# Altium PCB SmartPower.PcbDoc (part 1 of 2) (continued)
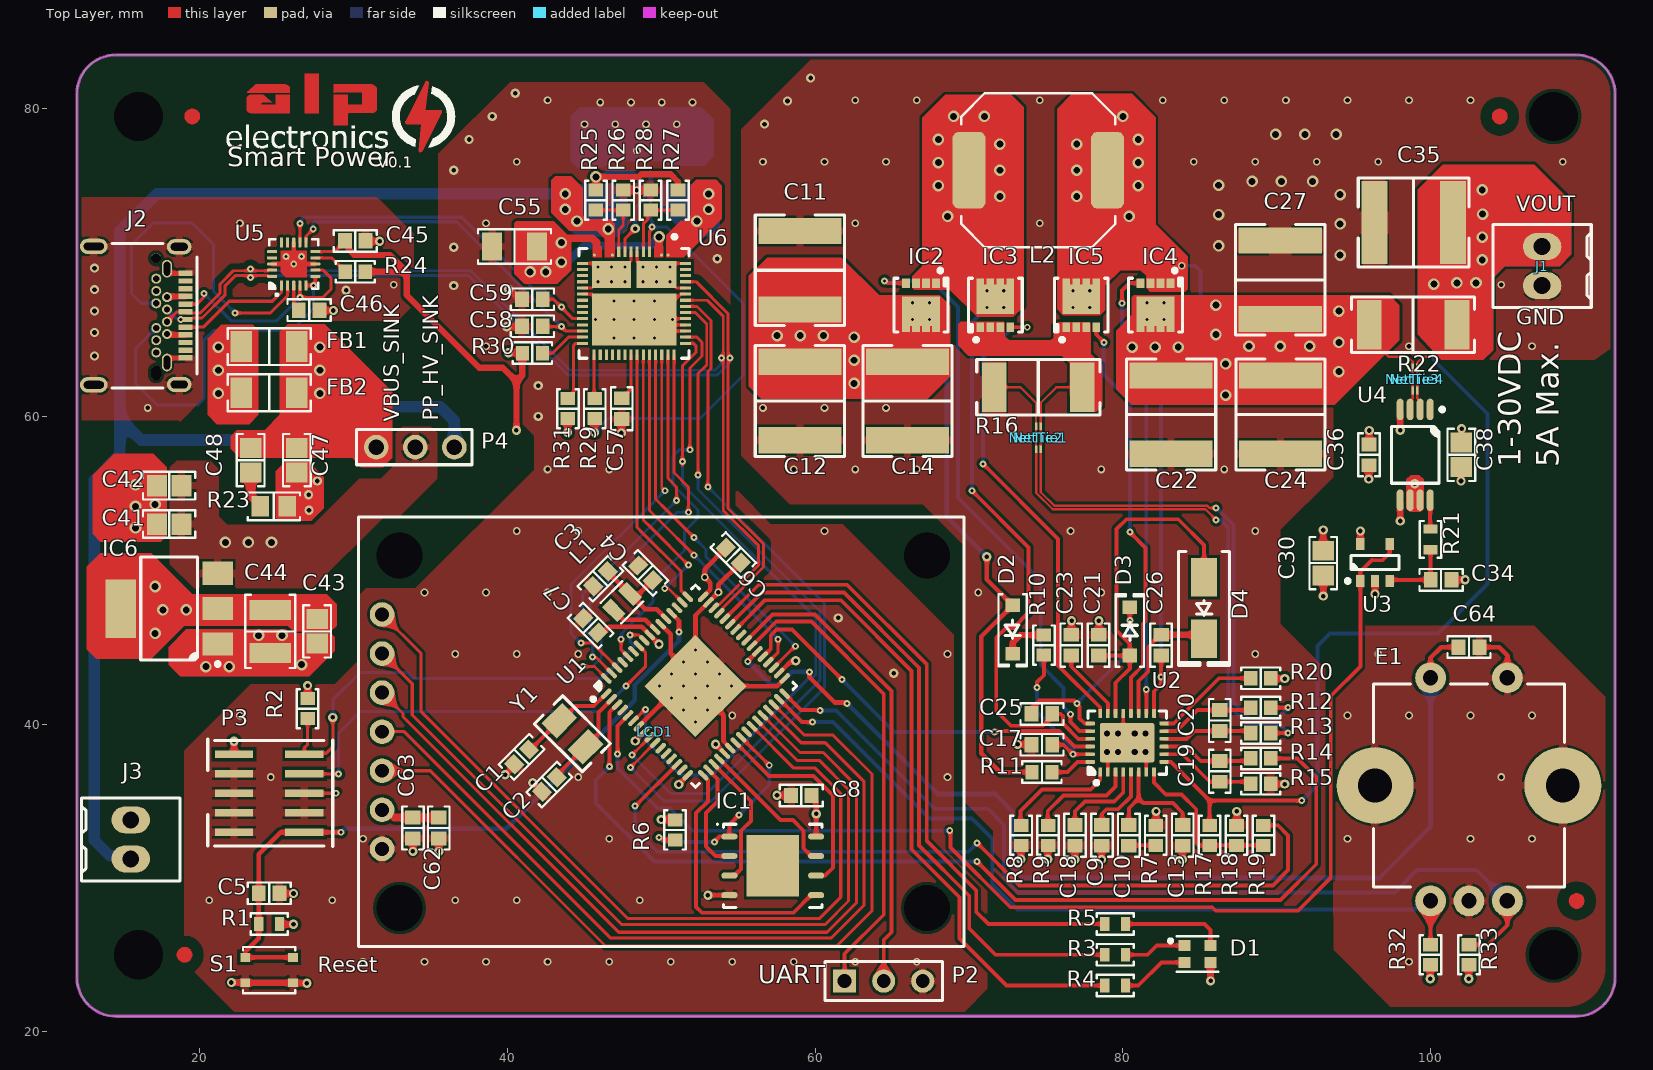
[diagram p0: Top Layer view]
## Footprints (in the part's own frame and the unit in brackets; to place one, negate y for a bottom-side part, rotate by r counter-clockwise, add the part's x,y. Pads: shape width x height; smd on the part's side, far side on the other; paste and mask are expansions set on the pad) (continued)
  rect 0.7x0.2 smd paste+0 mask+0: 5(-3.35,1) 6(-3.35,0.6) 7(-3.35,0.2) 8(-3.35,-0.2) 9(-3.35,-0.6) 10(-3.35,-1) 29(3.35,-2.6) 30(3.35,-2.2) 31(3.35,-1.8) 32(3.35,-1.4) 33(3.35,-1) 34(3.35,-0.6) 35(3.35,-0.2) 36(3.35,0.2) 37(3.35,0.6) 38(3.35,1) 39(3.35,1.4) 40(3.35,1.8) 41(3.35,2.2) 42(3.35,2.6)
  rect 0.2x0.7 smd paste+0 mask+0: 15(-2.6,-3.35) 16(-2.2,-3.35) 17(-1.8,-3.35) 18(-1.4,-3.35) 19(-1,-3.35) 20(-0.6,-3.35) 21(-0.2,-3.35) 22(0.2,-3.35) 23(0.6,-3.35) 24(1,-3.35) 25(1.4,-3.35) 26(1.8,-3.35) 27(2.2,-3.35) 28(2.6,-3.35) 43(2.6,3.35) 44(2.2,3.35) 45(1.8,3.35) 46(1.4,3.35) 47(1,3.35) 48(0.6,3.35) 49(0.2,3.35) 50(-0.2,3.35) 51(-0.6,3.35) 52(-1,3.35) 53(-1.4,3.35) 54(-1.8,3.35) 55(-2.2,3.35) 56(-2.6,3.35)
  rect 1.75x2.6 smd paste-1000 mask+0: 57(-1.875,1.45)
  rect 1.75x2.55 smd paste-1000 mask+0: 58(-1.875,-1.475)
  rect 3.4x5.5 smd paste-1000 mask+0: 59(1.05,0)
  Top Layer region: -3.35,-2.1 -3.7,-2.1 -3.7,-2.3 -3.2,-2.3 -3.2,-2.5 -3.7,-2.5 -3.7,-2.7 -3,-2.7 -3,-2.1
  Top Layer region: -3.35,-1.3 -3.7,-1.3 -3.7,-1.5 -3.2,-1.5 -3.2,-1.7 -3.7,-1.7 -3.7,-1.9 -3,-1.9 -3,-1.3
  Top Layer region: -3.35,1.9 -3.7,1.9 -3.7,1.7 -3.2,1.7 -3.2,1.5 -3.7,1.5 -3.7,1.3 -3,1.3 -3,1.9
  Top Layer region: -3.35,2.7 -3.7,2.7 -3.7,2.5 -3.2,2.5 -3.2,2.3 -3.7,2.3 -3.7,2.1 -3,2.1 -3,2.7
  silkscreen extent -4.45,-3.57 3.57,3.57, body extent -3.8,-3.8 3.8,3.8, height 0.25
FTSH-105-01-F-DV-K-TR [mm] ".050\" X .050 TERMINAL STRIP"
  rect 0.5x2.5 smd: 1(-2.54,-2.286) 2(-2.54,2.286) 3(-1.27,-2.286) 4(-1.27,2.286) 5(0,-2.286) 6(0,2.286) 7(1.27,-2.286) 8(1.27,2.286) 9(2.54,-2.286) 10(2.54,2.286)
  silkscreen extent -3.43,-3.56 3.43,3.56, body extent -3.17,-2.92 3.18,2.92, height 6.11
HDR1X3 [mm] "Connector; Header; 3 Position"
  rect 1.5x1.5 hole 0.9: 1(0,0)
  round 1.5 hole 0.9: 2(2.54,0) 3(5.08,0)
  silkscreen extent -1.27,-1.27 6.35,1.27
"HEADER 2.54MM - duplicate1" [mm] "3 PADS"
  round 1.6 hole 1: 1(0,0) 2(2.54,0) 3(5.08,0)
  silkscreen extent -1.14,-1.14 6.35,1.14, body extent -1.14,-1.23 6.48,1.27, height 8.2
IND_Würth_74404020100 [mm] "WE-LQS-2010"
  rect 0.8x1.4 smd: 1(-0.75,0) 2(0.75,0)
  silkscreen extent -1,-0.95 1,0.95, body extent -1,-0.8 1,0.82, height 0.98
"MURATA 1274AS" [mm] "10.3x10.3mm"
  rrect40% 2.15x5 smd: 1(-4.5,0) 2(4.5,0)
  silkscreen extent -5,-5 5,5, body extent -5,-5 5,5, height 5
NET_TIE_2X0.156MM [mm]
  rect 0.5x0.156 smd paste+0 mask+0.102: 1(0,0) 2(1.5,0)
  Top Layer lines w0.15: 1.5,0 0,0
"ON SEMI SOT-223 ST(318H)" [mm] "SOT223, 4-Leads, Body 6.50x7.00mm (avg), Pitch 2.30mm, IPC Medium Density"
  rect 2x1.5 smd: 1(-3.15,2.3) 2(-3.15,0) 3(-3.15,-2.3)
  rect 2x3.8 smd: 4(3.15,0)
  silkscreen extent -3.27,-3.35 1.85,3.72, body extent -3.52,-3.25 3.5,3.25, height 1.8
"RES 0603/1608" [mm] "Chip Resistor, 2-Leads, Body 1.60x0.80mm, IPC Medium Density"
  rect 0.6x0.9 smd: 1(-0.675,0) 2(0.675,0)
  silkscreen extent -1.2,-0.7 1.2,0.7, body extent -0.8,-0.4 0.8,0.4, height 0.45
"RES 0603_1608" [mm] "Chip Resistor, 2-Leads, Body 1.60x0.80mm, IPC Medium Density"
  rect 0.85x0.95 smd: 1(-0.65,0) 2(0.65,0)
  silkscreen extent -1.27,-0.7 1.27,0.7, body extent -0.8,-0.4 0.8,0.4, height 0.45
"RES 0805_2012" [mm] "Chip Resistor, 2-Leads, Body 2.00x1.25mm, IPC Medium Density"
  rect 1.15x1.35 smd: 1(-0.875,0) 2(0.875,0)
  silkscreen extent -1.7,-0.9 1.7,0.9, body extent -0.95,-0.62 1.05,0.63, height 0.6
"SI LABS QFN-64_S" [mm] "QFN, 64-Leads, Body 9.00x9.00mm, Pitch 0.50mm, Thermal Pad 4.70x4.70mm, IPC Medium Density"
  oval 0.85x0.3 smd: 1(-4.45,3.75) 2(-4.45,3.25) 3(-4.45,2.75) 4(-4.45,2.25) 5(-4.45,1.75) 6(-4.45,1.25) 7(-4.45,0.75) 8(-4.45,0.25) 9(-4.45,-0.25) 10(-4.45,-0.75) 11(-4.45,-1.25) 12(-4.45,-1.75) 13(-4.45,-2.25) 14(-4.45,-2.75) 15(-4.45,-3.25) 16(-4.45,-3.75) 33(4.45,-3.75) 34(4.45,-3.25) 35(4.45,-2.75) 36(4.45,-2.25) 37(4.45,-1.75) 38(4.45,-1.25) 39(4.45,-0.75) 40(4.45,-0.25) 41(4.45,0.25) 42(4.45,0.75) 43(4.45,1.25) 44(4.45,1.75) 45(4.45,2.25) 46(4.45,2.75) 47(4.45,3.25) 48(4.45,3.75)
  oval 0.3x0.85 smd: 17(-3.75,-4.45) 18(-3.25,-4.45) 19(-2.75,-4.45) 20(-2.25,-4.45) 21(-1.75,-4.45) 22(-1.25,-4.45) 23(-0.75,-4.45) 24(-0.25,-4.45) 25(0.25,-4.45) 26(0.75,-4.45) 27(1.25,-4.45) 28(1.75,-4.45) 29(2.25,-4.45) 30(2.75,-4.45) 31(3.25,-4.45) 32(3.75,-4.45) 49(3.75,4.45) 50(3.25,4.45) 51(2.75,4.45) 52(2.25,4.45) 53(1.75,4.45) 54(1.25,4.45) 55(0.75,4.45) 56(0.25,4.45) 57(-0.25,4.45) 58(-0.75,4.45) 59(-1.25,4.45) 60(-1.75,4.45) 61(-2.25,4.45) 62(-2.75,4.45) 63(-3.25,4.45) 64(-3.75,4.45)
  rect 4.7x4.7 smd: 65(0,0)
  silkscreen extent -5.42,-4.65 4.65,4.65, body extent -4.5,-4.5 4.5,4.5, height 0.9
SKSGACE010 [mm]
  rect 0.625x0.575 smd: 1(-1.55,0.825) 2(1.55,0.825) 3(-1.55,-0.825) 4(1.55,-0.825)
  silkscreen extent -1.7,-1.5 1.7,1.5, body extent -1.75,-1.39 1.75,1.39, height 1.35
SOD-123 [mm] "SOD, 2-Leads, Body 1.55x3.70mm, IPC Medium Density"
  rect 0.9x0.95 smd: 1(-1.575,0) 2(1.575,0)
  silkscreen extent -2.3,-0.92 2.41,0.92, body extent -1.86,-0.78 1.86,0.77, height 1.35
"SPANSION WSON-8 6x5MM" [mm] "SON, 8-Leads, Body 5.00x6.00mm, Pitch 1.27mm, Thermal Pad 4.00x3.40mm, IPC Medium Density"
  oval 1.05x0.4 smd: 1(-2.82,1.905) 2(-2.82,0.635) 3(-2.82,-0.635) 4(-2.82,-1.905) 5(2.82,-1.905) 6(2.82,-0.635) 7(2.82,0.635) 8(2.82,1.905)
  rect 3.4x4 smd paste-1.7 mask+0: 9(0,0)
  silkscreen extent -3.65,-2.7 3.2,2.75, body extent -3.05,-2.55 3.05,2.55, height 0.8
"STACKPOLE CSR2512" [mm] "Chip Resistor, 2-Leads, Body 6.40x3.20mm, IPC Medium Density"
  rect 1.6x3.2 smd: 1(-2.85,0) 2(2.85,0)
  silkscreen extent -4,-1.8 4,1.8, body extent -3.27,-1.6 3.28,1.6, height 0.5
"TE 282834-2" [mm]
  oval 1.75x2.5 hole 1.1: 1(-1.27,0) 2(1.27,0)
  silkscreen extent -2.7,-3.2 2.7,3.2, body extent -2.77,-3.25 2.77,3.25, height 10
"TI SON-8 Q3"#1 [mm] "SON, 8-Leads, Body 3.30x3.30mm, Pitch 0.65mm, Thermal Pad 1.90x2.45mm, IPC Medium Density"
  rect 0.63x0.5 smd: 1(-1.435,0.975) 2(-1.435,0.325) 3(-1.435,-0.325) 4(-1.435,-0.975) 5(1.435,-0.975) 6(1.435,-0.325) 7(1.435,0.325) 8(1.435,0.975)
  rect 1.9x2.45 smd: 8(0.39,0)
  silkscreen extent -2.37,-1.75 1.75,1.75, body extent -1.71,-1.7 1.71,1.7, height 1.1
"TI SON-8 Q3"#2 [mm] "SON, 8-Leads, Body 3.30x3.30mm, Pitch 0.65mm, Thermal Pad 1.90x2.45mm, IPC Medium Density"
  rect 0.63x0.5 smd paste-3: 1(-1.435,0.975) 2(-1.435,0.325) 3(-1.435,-0.325) 4(-1.435,-0.975) 5(1.435,-0.975) 6(1.435,-0.325) 7(1.435,0.325) 8(1.435,0.975)
  rect 1.9x2.45 smd paste-3: 8(0.39,0)
  silkscreen extent -2.37,-1.75 1.75,1.75, body extent -1.71,-1.7 1.71,1.7, height 1.1
"TI VQFN-28 RHF" [mm]
  rrect40% 0.6x0.24 smd: 1(-1.9,1.75) 2(-1.9,1.25) 3(-1.9,0.75) 4(-1.9,0.25) 5(-1.9,-0.25) 6(-1.9,-0.75) 7(-1.9,-1.25) 8(-1.9,-1.75) 15(1.9,-1.75) 16(1.9,-1.25) 17(1.9,-0.75) 18(1.9,-0.25) 19(1.9,0.25) 20(1.9,0.75) 21(1.9,1.25) 22(1.9,1.75)
  rrect40% 0.24x0.6 smd: 9(-1.25,-2.4) 10(-0.75,-2.4) 11(-0.25,-2.4) 12(0.25,-2.4) 13(0.75,-2.4) 14(1.25,-2.4) 23(1.25,2.4) 24(0.75,2.4) 25(0.25,2.4) 26(-0.25,2.4) 27(-0.75,2.4) 28(-1.25,2.4)
  round 0 hole 0.4: 29(-0.6,1.3) 29(-0.6,-0.5) 29(-0.6,0.6) 29(-0.6,-1.2) 29(0.6,1.3) 29(0.6,-0.5) 29(0.6,0.6) 29(0.6,-1.2)
  rrect10% 2.55x3.55 smd: 29(0,0)
  silkscreen extent -2.72,-2.55 2.05,2.55, body extent -2,-2.5 2,2.5, height 1.01
USB4055 [mm]
  rect 0.35x0.9 smd: A1(2.75,-4.55) A2(2.25,-4.55) A3(1.75,-4.55) A4(1.25,-4.55) A5(0.75,-4.55) A6(0.25,-4.55) A7(-0.25,-4.55) A8(-0.75,-4.55) A9(-1.25,-4.55) A10(-1.75,-4.55) A11(-2.25,-4.55) A12(-2.75,-4.55)
  oval 1.15x0.65 hole 0.4 slot 0.9 at 0 deg: B1(-3.05,-3.36) B12(3.05,-3.36)
  round 0.65 hole 0.4: B2(-2.4,-2.66) B3(-1.6,-2.66) B4(-1.2,-3.36) B5(-0.8,-2.66) B6(-0.4,-3.36) B7(0.4,-3.36) B8(0.8,-2.66) B9(1.2,-3.36) B10(1.6,-2.66) B11(2.4,-2.66)
  oval 0.95x0.65 hole 0.65 slot 0.95 at 0 deg unplated mask+0.102: M(-3.725,-2.65)
  round 0.65 hole 0.65 unplated mask+0.102: M(3.725,-2.65)
  oval 1x1.8 hole 0.5 slot 1.3 at 90 deg: S(-4.5,1.4) S(4.5,1.4)
  oval 1x1.6 hole 0.5 slot 1.1 at 90 deg: S(-4.475,-4.15) S(4.475,-4.15)
  silkscreen extent -4.7,-5.3 4.7,0.2, body extent -4.86,-4.9 4.86,5.1, height 3.49
"WQFN - 20" [mm]
  rrect50% 0.65x0.2 smd mask+0.05: 1(-1.4,0.8) 2(-1.4,0.4) 3(-1.4,0) 4(-1.4,-0.4) 5(-1.4,-0.8) 11(1.4,-0.8) 12(1.4,-0.4) 13(1.4,0) 14(1.4,0.4) 15(1.4,0.8)
  rrect50% 0.2x0.65 smd mask+0.05: 6(-0.8,-1.4) 7(-0.4,-1.4) 8(0,-1.4) 9(0.4,-1.4) 10(0.8,-1.4) 16(0.8,1.4) 17(0.4,1.4) 18(0,1.4) 19(-0.4,1.4) 20(-0.8,1.4)
  rrect50% 0.2x0.2 smd mask+0.05: 21(0.4,0.4)
  Top Layer region: -0.85,-0.85 0.85,-0.85 0.85,0.85 -0.525,0.85 -0.85,0.525
  silkscreen extent -2.08,-1.6 1.6,1.6, body extent -1.5,-1.5 1.5,1.5, height 0.8

## Part data
C1 C2: library part 06031A120JAT4A, "CAP CER 12PF 100V NP0 0603", Device Package="0603 (1608 Metric)", Manufacturer="AVX Corporation", Operating Temperature="-55°C ~ 125°C", Supplier Part Number 1=478-10188-1-ND, Temperature Coefficient="C0G, NP0", Tolerance=±5%, Voltage - Rated=100V, Applications="General Purpose", Capacitance=12pF, ComponentLink1Description=Datasheet, ComponentLink1URL=http://datasheets.avx.com/C0GNP0-Dielectric.pdf, ComponentLink2Description="DigiKey Link", ComponentLink2URL=http://digikey.com/product-detail/en/avx-corporation/06031A120JAT4A/478-10188-1-ND/6797488, LastUpdated="21/01/2020 00:01:49", Lifecycle Status=Active, Minimum Order=1, Mounting Type="Surface Mount, MLCC", Package / Case="0603 (1608 Metric)", Packaging=TapeAndReel, Part Number=06031A120JAT4A, Part Status=Active, PartId=14161, Price=0.01, Series=-, Size / Dimension="0.063\" L x 0.032\" W (1.60mm x 0.81mm)", Supplier 1=DigiKey, Thickness (Max)="0.035\" (0.90mm)"
C3 C5 C21: library part 06035C105KAT2A, "CAP CER 1UF 50V X7R 0603", Device Package="0603 (1608 Metric)", Manufacturer="AVX Corporation", Operating Temperature="-55°C ~ 125°C", Supplier Part Number 1=478-10073-1-ND, Temperature Coefficient=X7R, Tolerance=±10%, Voltage - Rated=50V, Applications="General Purpose", Capacitance=1µF, ComponentLink1Description=Datasheet, ComponentLink1URL=http://datasheets.avx.com/X7RDielectric.pdf, ComponentLink2Description="DigiKey Link", ComponentLink2URL=http://digikey.com/product-detail/en/avx-corporation/06035C105KAT2A/478-10073-1-ND/6564295, LastUpdated="21/01/2020 00:02:08", Lifecycle Status=Active, Minimum Order=1, Mounting Type="Surface Mount, MLCC", Package / Case="0603 (1608 Metric)", Packaging=TapeAndReel, Part Number=06035C105KAT2A, Part Status=Active, PartId=2905, Price=0.15, Series=-, Size / Dimension="0.063\" L x 0.032\" W (1.60mm x 0.81mm)", Supplier 1=DigiKey, Thickness (Max)="0.020\" (0.50mm)"
C4: library part 0603ZD106MAT2A, "CAP CER 10UF 10V X5R 0603", Device Package="0603 (1608 Metric)", Manufacturer="AVX Corporation", Operating Temperature="-55°C ~ 85°C", Supplier Part Number 1=478-8050-1-ND, Temperature Coefficient=X5R, Tolerance=±20%, Voltage - Rated=10V, Applications="General Purpose", Capacitance=10µF, ComponentLink1Description=Datasheet, ComponentLink1URL=http://datasheets.avx.com/cx5r.pdf, ComponentLink2Description="DigiKey Link", ComponentLink2URL=http://digikey.com/product-detail/en/avx-corporation/0603ZD106MAT2A/478-8050-1-ND/3900666, LastUpdated="21/01/2020 00:01:55", Lifecycle Status=Active, Minimum Order=1, Mounting Type="Surface Mount, MLCC", Package / Case="0603 (1608 Metric)", Packaging=TapeAndReel, Part Number=0603ZD106MAT2A, Part Status=Active, PartId=11464, Price=0.18, Series=-, Size / Dimension="0.063\" L x 0.032\" W (1.60mm x 0.81mm)", Supplier 1=DigiKey, Thickness (Max)="0.035\" (0.90mm)"
C6 C8 C17 C23 C25 C26 C62 C64: library part 0603BB104K500NGT, "CAP CER 0.1UF 50V X7R 0603", Device Package="0603 (1608 Metric)", Manufacturer="Knowles Novacap", Operating Temperature="-55°C ~ 125°C", Supplier Part Number 1=1763-1146-1-ND, Temperature Coefficient=X7R, Tolerance=±10%, Voltage - Rated=50V, Applications="General Purpose", Capacitance=0.1µF, ComponentLink1Description=Datasheet, ComponentLink1URL=https://www.knowlescapacitors.com/getattachment/6c8d48ef-fc2b-4752-ae2c-ce6c208de0c4/High-Capacitance-Chip.aspx, ComponentLink2Description="DigiKey Link", ComponentLink2URL=http://digikey.com/product-detail/en/knowles-novacap/0603BB104K500NGT/1763-1146-1-ND/7304094, Features="Gold Flash Termination", LastUpdated="21/01/2020 00:02:02", Lifecycle Status=Active, Minimum Order=1, Mounting Type="Surface Mount, MLCC", Package / Case="0603 (1608 Metric)", Packaging=TapeAndReel, Part Number=0603BB104K500NGT, Part Status=Active, PartId=7006, Price=0.56, Series=-, Size / Dimension="0.060\" L x 0.030\" W (1.52mm x 0.76mm)", Supplier 1=DigiKey, Thickness (Max)="0.035\" (0.89mm)"
C7 C63: library part 0603BB105K160YT, "CAP CER 1UF 16V X7R 0603", Device Package="0603 (1608 Metric)", Manufacturer="Knowles Novacap", Operating Temperature="-55°C ~ 125°C", Supplier Part Number 1=1763-1175-1-ND, Temperature Coefficient=X7R, Tolerance=±10%, Voltage - Rated=16V, Applications="General Purpose", Capacitance=1µF, ComponentLink1Description=Datasheet, ComponentLink1URL=https://www.knowlescapacitors.com/getattachment/6c8d48ef-fc2b-4752-ae2c-ce6c208de0c4/High-Capacitance-Chip.aspx, ComponentLink2Description="DigiKey Link", ComponentLink2URL=http://digikey.com/product-detail/en/knowles-novacap/0603BB105K160YT/1763-1175-1-ND/7304294, LastUpdated="21/01/2020 00:02:02", Lifecycle Status=Active, Minimum Order=1, Mounting Type="Surface Mount, MLCC", Package / Case="0603 (1608 Metric)", Packaging=TapeAndReel, Part Number=0603BB105K160YT, Part Status=Active, PartId=6996, Price=0.51, Series=-, Size / Dimension="0.060\" L x 0.030\" W (1.52mm x 0.76mm)", Supplier 1=DigiKey, Thickness (Max)="0.035\" (0.89mm)"
C9: library part 0603B682K500CT, "CAP CER 6800PF 50V X7R 0603", Device Package="0603 (1608 Metric)", Manufacturer="Walsin Technology Corporation", Operating Temperature="-55°C ~ 125°C", Supplier Part Number 1=1292-1459-1-ND, Temperature Coefficient=X7R, Tolerance=±10%, Voltage - Rated=50V, Applications="General Purpose", Capacitance=6800pF, ComponentLink1Description=Datasheet, ComponentLink1URL=http://www.passivecomponent.com/wp-content/uploads/2018/10/MLCC.pdf, ComponentLink2Description="DigiKey Link", ComponentLink2URL=http://digikey.com/product-detail/en/walsin-technology-corporation/0603B682K500CT/1292-1459-1-ND/9355463, LastUpdated="21/01/2020 00:01:43", Lifecycle Status=Active, Minimum Order=1, Mounting Type="Surface Mount, MLCC", Package / Case="0603 (1608 Metric)", Packaging=TapeAndReel, Part Number=0603B682K500CT, Part Status=Active, PartId=16042, Price=0.01, Series=-, Size / Dimension="0.063\" L x 0.031\" W (1.60mm x 0.80mm)", Supplier 1=DigiKey, Thickness (Max)="0.034\" (0.87mm)"
C10: library part 0603B153K500CT, "CAP CER 0.015UF 50V X7R 0603", Device Package="0603 (1608 Metric)", Manufacturer="Walsin Technology Corporation", Operating Temperature="-55°C ~ 125°C", Supplier Part Number 1=1292-1402-1-ND, Temperature Coefficient=X7R, Tolerance=±10%, Voltage - Rated=50V, Applications="General Purpose", Capacitance=0.015µF, ComponentLink1Description=Datasheet, ComponentLink1URL=http://www.passivecomponent.com/wp-content/uploads/2018/10/MLCC.pdf, ComponentLink2Description="DigiKey Link", ComponentLink2URL=http://digikey.com/product-detail/en/walsin-technology-corporation/0603B153K500CT/1292-1402-1-ND/9355406, LastUpdated="21/01/2020 00:01:57", Lifecycle Status=Active, Minimum Order=1, Mounting Type="Surface Mount, MLCC", Package / Case="0603 (1608 Metric)", Packaging=TapeAndReel, Part Number=0603B153K500CT, Part Status=Active, PartId=10009, Price=0.01, Series=-, Size / Dimension="0.063\" L x 0.031\" W (1.60mm x 0.80mm)", Supplier 1=DigiKey, Thickness (Max)="0.034\" (0.87mm)"
C11 C12 C14 C22 C24 C27 C35: library part C5750X7R1H106M230KB, "CAP CER 10UF 50V X7R 2220", Device Package="2220 (5750 Metric)", Manufacturer="TDK Corporation", Operating Temperature="-55°C ~ 125°C", Supplier Part Number 1=445-1454-1-ND, Temperature Coefficient=X7R, Tolerance=±20%, Voltage - Rated=50V, Applications="General Purpose", Capacitance=10µF, ComponentLink1Description=Datasheet, ComponentLink1URL=https://product.tdk.com/info/en/catalog/datasheets/mlcc_commercial_general_en.pdf?ref_disty=digikey, ComponentLink2Description="DigiKey Link", ComponentLink2URL=http://digikey.com/product-detail/en/tdk-corporation/C5750X7R1H106M230KB/445-1454-1-ND/569120, LastUpdated="21/01/2020 00:34:55", Lifecycle Status=Active, Minimum Order=1, Mounting Type="Surface Mount, MLCC", Package / Case="2220 (5750 Metric)", Packaging=TapeAndReel, Part Number=C5750X7R1H106M230KB, Part Status=Active, Price=0.85, Series=C, Size / Dimension="0.224\" L x 0.197\" W (5.70mm x 5.00mm)", Supplier 1=DigiKey, Thickness (Max)="0.098\" (2.50mm)"
C13: library part 06031A820GAT2A, "CAP CER 82PF 100V C0G/NP0 0603", Device Package="0603 (1608 Metric)", Manufacturer="AVX Corporation", Operating Temperature="-55°C ~ 125°C", Supplier Part Number 1=478-10796-1-ND, Temperature Coefficient="C0G, NP0", Tolerance=±2%, Voltage - Rated=100V, Applications="General Purpose", Capacitance=82pF, ComponentLink1Description=Datasheet, ComponentLink1URL=http://datasheets.avx.com/C0GNP0-Dielectric.pdf, ComponentLink2Description="DigiKey Link", ComponentLink2URL=http://digikey.com/product-detail/en/avx-corporation/06031A820GAT2A/478-10796-1-ND/7536341, LastUpdated="21/01/2020 00:01:52", Lifecycle Status=Active, Minimum Order=1, Mounting Type="Surface Mount, MLCC", Package / Case="0603 (1608 Metric)", Packaging=TapeAndReel, Part Number=06031A820GAT2A, Part Status=Active, PartId=13264, Price=0.09, Series=-, Size / Dimension="0.063\" L x 0.032\" W (1.60mm x 0.81mm)", Supplier 1=DigiKey, Thickness (Max)="0.035\" (0.90mm)"
C15 C31: library part 0603ZD106KAT2A, "CAP CER 10UF 10V X5R 0603", Device Package="0603 (1608 Metric)", Manufacturer="AVX Corporation", Operating Temperature="-55°C ~ 85°C", Supplier Part Number 1=478-10766-1-ND, Temperature Coefficient=X5R, Tolerance=±10%, Voltage - Rated=10V, Applications="General Purpose", Capacitance=10µF, ComponentLink1Description=Datasheet, ComponentLink1URL=http://datasheets.avx.com/cx5r.pdf, ComponentLink2Description="DigiKey Link", ComponentLink2URL=http://digikey.com/product-detail/en/avx-corporation/0603ZD106KAT2A/478-10766-1-ND/7536554, LastUpdated="21/01/2020 00:02:09", Lifecycle Status=Active, Minimum Order=1, Mounting Type="Surface Mount, MLCC", Package / Case="0603 (1608 Metric)", Packaging=TapeAndReel, Part Number=0603ZD106KAT2A, Part Status=Active, PartId=2590, Price=0.09, Series=-, Size / Dimension="0.063\" L x 0.032\" W (1.60mm x 0.81mm)", Supplier 1=DigiKey, Thickness (Max)="0.037\" (0.94mm)"
C18: library part 0603N331J101CT, "CAP CER 330PF 100V C0G/NP0 0603", Device Package="0603 (1608 Metric)", Manufacturer="Walsin Technology Corporation", Operating Temperature="-55°C ~ 125°C", Supplier Part Number 1=1292-1519-1-ND, Temperature Coefficient="C0G, NP0", Tolerance=±5%, Voltage - Rated=100V, Applications="General Purpose", Capacitance=330pF, ComponentLink1Description=Datasheet, ComponentLink1URL=http://www.passivecomponent.com/wp-content/uploads/2018/10/MLCC.pdf, ComponentLink2Description="DigiKey Link", ComponentLink2URL=http://digikey.com/product-detail/en/walsin-technology-corporation/0603N331J101CT/1292-1519-1-ND/9355523, LastUpdated="21/01/2020 00:01:44", Lifecycle Status=Active, Minimum Order=1, Mounting Type="Surface Mount, MLCC", Package / Case="0603 (1608 Metric)", Packaging=TapeAndReel, Part Number=0603N331J101CT, Part Status=Active, PartId=15517, Price=0.01, Series=-, Size / Dimension="0.063\" L x 0.031\" W (1.60mm x 0.80mm)", Supplier 1=DigiKey, Thickness (Max)="0.034\" (0.87mm)"
C19 C20: library part 500X14N470MV4T, "CAP CER 47PF 50V C0G/NP0 0603", Device Package="0603 (1608 Metric)", Manufacturer="Johanson Dielectrics Inc.", Operating Temperature="-55°C ~ 125°C", Supplier Part Number 1=709-1003-1-ND, Temperature Coefficient="C0G, NP0", Tolerance=±20%, Voltage - Rated=50V, Applications="Bypass, Decoupling", Capacitance=47pF, ComponentLink1Description=Datasheet, ComponentLink1URL=https://www.johansondielectrics.com/downloads/x2y-filter-and-decoupling-capacitors.pdf, ComponentLink2Description="DigiKey Link", ComponentLink2URL=http://digikey.com/product-detail/en/johanson-dielectrics-inc/500X14N470MV4T/709-1003-1-ND/1556408, Features="Low ESL (X2Y)", LastUpdated="21/01/2020 00:02:07", Lifecycle Status=Active, Minimum Order=1, Mounting Type="Surface Mount, MLCC", Package / Case="0603 (1608 Metric)", Packaging=TapeAndReel, Part Number=500X14N470MV4T, Part Status=Active, PartId=4173, Price=0.08, Series=X2Y®, Size / Dimension="0.064\" L x 0.035\" W (1.63mm x 0.89mm)", Supplier 1=DigiKey, Thickness (Max)="0.026\" (0.66mm)"
C28 C29: library part 1206BB106K250NGX072T, "CAP CER 10UF 25V X7R 1206", Device Package="1206 (3216 Metric)", Manufacturer="Knowles Novacap", Operating Temperature="-55°C ~ 125°C", Supplier Part Number 1=1763-1135-1-ND, Temperature Coefficient=X7R, Tolerance=±10%, Voltage - Rated=25V, Applications="General Purpose", Capacitance=10µF, ComponentLink1Description=Datasheet, ComponentLink1URL=https://www.knowlescapacitors.com/getattachment/6c8d48ef-fc2b-4752-ae2c-ce6c208de0c4/High-Capacitance-Chip.aspx, ComponentLink2Description="DigiKey Link", ComponentLink2URL=http://digikey.com/product-detail/en/knowles-novacap/1206BB106K250NGX072T/1763-1135-1-ND/7304039, Features="Gold Flash Termination", LastUpdated="21/01/2020 00:03:35", Lifecycle Status=Active, Minimum Order=1, Mounting Type="Surface Mount, MLCC", Package / Case="1206 (3216 Metric)", Packaging=TapeAndReel, Part Number=1206BB106K250NGX072T, Part Status=Active, PartId=22718, Price=1.95, Series=-, Size / Dimension="0.125\" L x 0.060\" W (3.18mm x 1.52mm)", Supplier 1=DigiKey, Thickness (Max)="0.064\" (1.63mm)"
C30 C38 C41 C42 C43: library part 160R15W104KV4T, "CAP CER 0.1UF 16V X7R 0805", Device Package="0805 (2012 Metric)", Manufacturer="Johanson Dielectrics Inc.", Operating Temperature="-55°C ~ 125°C", Supplier Part Number 1=709-1183-1-ND, Temperature Coefficient=X7R, Tolerance=±10%, Voltage - Rated=16V, Applications="General Purpose", Capacitance=0.1µF, ComponentLink1Description=Datasheet, ComponentLink1URL=https://www.johansondielectrics.com/downloads/catalog/johanson-dielectrics-product-catalog.pdf, ComponentLink2Description="DigiKey Link", ComponentLink2URL=http://digikey.com/product-detail/en/johanson-dielectrics-inc/160R15W104KV4T/709-1183-1-ND/1859515, LastUpdated="21/01/2020 00:02:56", Lifecycle Status=Active, Minimum Order=1, Mounting Type="Surface Mount, MLCC", Package / Case="0805 (2012 Metric)", Packaging=TapeAndReel, Part Number=160R15W104KV4T, Part Status=Active, PartId=9125, Price=0.03, Series=-, Size / Dimension="0.080\" L x 0.050\" W (2.03mm x 1.27mm)", Supplier 1=DigiKey, Thickness (Max)="0.050\" (1.27mm)"
C34 C36: library part 0603B223J250CT, "CAP CER 0.022UF 25V X7R 0603", Device Package="0603 (1608 Metric)", Manufacturer="Walsin Technology Corporation", Operating Temperature="-55°C ~ 125°C", Supplier Part Number 1=1292-1413-1-ND, Temperature Coefficient=X7R, Tolerance=±5%, Voltage - Rated=25V, Applications="General Purpose", Capacitance=0.022µF, ComponentLink1Description=Datasheet, ComponentLink1URL=http://www.passivecomponent.com/wp-content/uploads/2018/10/MLCC.pdf, ComponentLink2Description="DigiKey Link", ComponentLink2URL=http://digikey.com/product-detail/en/walsin-technology-corporation/0603B223J250CT/1292-1413-1-ND/9355417, LastUpdated="21/01/2020 00:01:52", Lifecycle Status=Active, Minimum Order=1, Mounting Type="Surface Mount, MLCC", Package / Case="0603 (1608 Metric)", Packaging=TapeAndReel, Part Number=0603B223J250CT, Part Status=Active, PartId=13332, Price=0.01, Series=-, Size / Dimension="0.063\" L x 0.031\" W (1.60mm x 0.80mm)", Supplier 1=DigiKey, Thickness (Max)="0.034\" (0.87mm)"
C44: library part C1210C106K3RACAUTO, "CAP CER 10UF 25V X7R 1210", Device Package="1210 (3225 Metric)", Manufacturer=KEMET, Operating Temperature="-55°C ~ 125°C", Ratings=AEC-Q200, Supplier Part Number 1=399-7046-1-ND, Temperature Coefficient=X7R, Tolerance=±10%, Voltage - Rated=25V, Applications="Automotive, Bypass, Decoupling", Capacitance=10µF, ComponentLink1Description=Datasheet, ComponentLink1URL=//media.digikey.com/pdf/Data%20Sheets/Kemet%20PDFs/C1210C106K3RACAUTO.pdf, ComponentLink2Description="DigiKey Link", ComponentLink2URL=http://digikey.com/product-detail/en/kemet/C1210C106K3RACAUTO/399-7046-1-ND/3314553, LastUpdated="21/01/2020 00:30:50", Lifecycle Status=Active, Minimum Order=1, Mounting Type="Surface Mount, MLCC", Package / Case="1210 (3225 Metric)", Packaging=TapeAndReel, Part Number=C1210C106K3RACAUTO, Part Status=Active, PartId=23626, Price=0.22, Series="SMD Auto X7R", Size / Dimension="0.126\" L x 0.098\" W (3.20mm x 2.50mm)", Supplier 1=DigiKey, Thickness (Max)="0.106\" (2.70mm)"
C45 C46: library part 0603B104J160CT, "CAP CER 0.1UF 16V X7R 0603", Device Package="0603 (1608 Metric)", Manufacturer="Walsin Technology Corporation", Operating Temperature="-55°C ~ 125°C", Supplier Part Number 1=1292-1389-1-ND, Temperature Coefficient=X7R, Tolerance=±5%, Voltage - Rated=16V, Applications="General Purpose", Capacitance=0.1µF, ComponentLink1Description=Datasheet, ComponentLink1URL=http://www.passivecomponent.com/wp-content/uploads/2018/10/MLCC.pdf, ComponentLink2Description="DigiKey Link", ComponentLink2URL=http://digikey.com/product-detail/en/walsin-technology-corporation/0603B104J160CT/1292-1389-1-ND/9355393, LastUpdated="21/01/2020 00:01:52", Lifecycle Status=Active, Minimum Order=1, Mounting Type="Surface Mount, MLCC", Package / Case="0603 (1608 Metric)", Packaging=TapeAndReel, Part Number=0603B104J160CT, Part Status=Active, PartId=13150, Price=0.02, Series=-, Size / Dimension="0.063\" L x 0.031\" W (1.60mm x 0.80mm)", Supplier 1=DigiKey, Thickness (Max)="0.034\" (0.87mm)"
C47: library part 08055C105K4Z2A, "CAP CER 1UF 50V X7R 0805", Device Package="0805 (2012 Metric)", Manufacturer="AVX Corporation", Operating Temperature="-55°C ~ 125°C", Ratings=AEC-Q200, Supplier Part Number 1=478-9557-1-ND, Temperature Coefficient=X7R, Tolerance=±10%, Voltage - Rated=50V, Applications="Automotive, Boardflex Sensitive", Capacitance=1µF, ComponentLink1Description=Datasheet, ComponentLink1URL=http://datasheets.avx.com/FlexitermMLCC.pdf, ComponentLink2Description="DigiKey Link", ComponentLink2URL=http://digikey.com/product-detail/en/avx-corporation/08055C105K4Z2A/478-9557-1-ND/5322895, Features="Soft Termination", LastUpdated="21/01/2020 00:03:05", Lifecycle Status=Active, Minimum Order=1, Mounting Type="Surface Mount, MLCC", Package / Case="0805 (2012 Metric)", Packaging=TapeAndReel, Part Number=08055C105K4Z2A, Part Status=Active, PartId=2983, Price=0.09, Series=FLEXITERM®, Size / Dimension="0.079\" L x 0.049\" W (2.00mm x 1.25mm)", Supplier 1=DigiKey, Thickness (Max)="0.055\" (1.40mm)"
C48: library part C2012JB1H475K125AB, "CAP CER 4.7UF 50V JB 0805", Device Package="0805 (2012 Metric)", Manufacturer="TDK Corporation", Operating Temperature="-25°C ~ 85°C", Supplier Part Number 1=445-11510-1-ND, Temperature Coefficient=JB, Tolerance=±10%, Voltage - Rated=50V, Applications="General Purpose", Capacitance=4.7µF, ComponentLink1Description=Datasheet, ComponentLink1URL=https://product.tdk.com/info/en/catalog/datasheets/mlcc_commercial_general_en.pdf?ref_disty=digikey, ComponentLink2Description="DigiKey Link", ComponentLink2URL=http://digikey.com/product-detail/en/tdk-corporation/C2012JB1H475K125AB/445-11510-1-ND/3953176, Features="Low ESL", LastUpdated="21/01/2020 00:02:45", Lifecycle Status=Active, Minimum Order=1, Mounting Type="Surface Mount, MLCC", Package / Case="0805 (2012 Metric)", Packaging=TapeAndReel, Part Number=C2012JB1H475K125AB, Part Status=Active, PartId=15333, Price=0.18, Series=C, Size / Dimension="0.079\" L x 0.049\" W (2.00mm x 1.25mm)", Supplier 1=DigiKey, Thickness (Max)="0.057\" (1.45mm)"
C55: library part AC1206KKX7R8BB105, "CAP CER 1UF 25V X7R 1206", Device Package="1206 (3216 Metric)", Manufacturer=Yageo, Operating Temperature="-55°C ~ 125°C", Ratings=AEC-Q200, Supplier Part Number 1=311-3039-1-ND, Temperature Coefficient=X7R, Tolerance=±10%, Voltage - Rated=25V, Applications=Automotive, Capacitance=1µF, ComponentLink1Description=Datasheet, ComponentLink1URL=http://www.yageo.com/documents/recent/UPY-AC_NP0X7R_16V-to-630V_12.pdf, ComponentLink2Description="DigiKey Link", ComponentLink2URL=http://digikey.com/product-detail/en/yageo/AC1206KKX7R8BB105/311-3039-1-ND/6643290, LastUpdated="21/01/2020 00:03:07", Lifecycle Status=Active, Minimum Order=1, Mounting Type="Surface Mount, MLCC", Package / Case="1206 (3216 Metric)", Packaging=TapeAndReel, Part Number=AC1206KKX7R8BB105, Part Status=Active, PartId=18820, Price=0.22, Series=AC, Size / Dimension="0.126\" L x 0.063\" W (3.20mm x 1.60mm)", Supplier 1=DigiKey, Thickness (Max)="0.028\" (0.70mm)"
C57: library part 0603ZD475KAT2A, "CAP CER 4.7UF 10V X5R 0603", Device Package="0603 (1608 Metric)", Manufacturer="AVX Corporation", Operating Temperature="-55°C ~ 85°C", Supplier Part Number 1=478-7943-1-ND, Temperature Coefficient=X5R, Tolerance=±10%, Voltage - Rated=10V, Applications="General Purpose", Capacitance=4.7µF, ComponentLink1Description=Datasheet, ComponentLink1URL=http://datasheets.avx.com/cx5r.pdf, ComponentLink2Description="DigiKey Link", ComponentLink2URL=http://digikey.com/product-detail/en/avx-corporation/0603ZD475KAT2A/478-7943-1-ND/3881566, LastUpdated="21/01/2020 00:01:36", Lifecycle Status=Active, Minimum Order=1, Mounting Type="Surface Mount, MLCC", Package / Case="0603 (1608 Metric)", Part Number=0603ZD475KAT2A, Part Status=Active, PartId=18469, Price=0, Series=-, Size / Dimension="0.063\" L x 0.032\" W (1.60mm x 0.81mm)", Supplier 1=DigiKey, Thickness (Max)="0.035\" (0.90mm)"
C58 C59: library part 500R14N221JV4T, "CAP CER 220PF 50V C0G/NP0 0603", Device Package="0603 (1608 Metric)", Manufacturer="Johanson Dielectrics Inc.", Operating Temperature="-55°C ~ 125°C", Supplier Part Number 1=709-1148-1-ND, Temperature Coefficient="C0G, NP0", Tolerance=±5%, Voltage - Rated=50V, Applications="General Purpose", Capacitance=220pF, ComponentLink1Description=Datasheet, ComponentLink1URL=https://www.johansondielectrics.com/downloads/catalog/johanson-dielectrics-product-catalog.pdf, ComponentLink2Description="DigiKey Link", ComponentLink2URL=http://digikey.com/product-detail/en/johanson-dielectrics-inc/500R14N221JV4T/709-1148-1-ND/1859480, LastUpdated="21/01/2020 00:01:54", Lifecycle Status=Active, Minimum Order=1, Mounting Type="Surface Mount, MLCC", Package / Case="0603 (1608 Metric)", Packaging=TapeAndReel, Part Number=500R14N221JV4T, Part Status=Active, PartId=11524, Price=0.03, Series=-, Size / Dimension="0.063\" L x 0.032\" W (1.60mm x 0.81mm)", Supplier 1=DigiKey, Thickness (Max)="0.035\" (0.89mm)"
D1: "RGB 615~630nmRed,515~535nmGreen,465~480nmBlue 2020", Colour=RGB, Device Package=2020, Manufacturer="Foshan NationStar Optoelectronics", Supplier Part Number 1=C108793, ComponentLink1Description=Datasheet, ComponentLink1URL=https://datasheet.lcsc.com/szlcsc/1810231210_Foshan-NationStar-Optoelectronics-FM-B2020RGBA-HG_C108793.pdf, ComponentLink2Description="LCSC Listing", ComponentLink2URL=https://lcsc.com/product-detail/Light-Emitting-Diodes-LED_FM-B2020RGBA-HG_C108793.html, Part Number=FM-B2020RGBA-HG, PartId=10872, Supplier 1=LCSC, Type="Surface Mount"
D2 D3: "DIODE SCHOTTKY 40V 500MA SOD123", Current Rectified=500mA, Current Reverse Leakage @ Vr="20uA @ 40V", Device Package=SOD-123, Junction Operating Temperature="-65C ~ 150C", Manufacturer="Diodes Incorporated", Supplier Part Number 1=B0540W-FDITR-ND, Voltage DC Reverse (Vr)=40V, Voltage Forward (Vf)="510mV @ 500mA", ComponentLink1Description=Datasheet, ComponentLink1URL=http://www.diodes.com/_files/datasheets/ds30138.pdf, ComponentLink2Description="Digi-Key Listing", ComponentLink2URL=https://www.digikey.com/product-detail/en/diodes-incorporated/B0540W-7-F/B0540W-FDITR-ND/717688, Part Number=B0540W-7-F, PartId=14601, Price=0.0644, Supplier 1=Digi-Key, Type=Schottky
D4: "DIODE SCHOTTKY 60V 2A SMA", Current Rectified=2A, Current Reverse Leakage @ Vr="500uA @ 60V", Device Package="DO-214AC, SMA", Junction Operating Temperature="-65C ~ 150C", Manufacturer="Diodes Incorporated", Supplier Part Number 1=B260A-FDITR-ND, Voltage DC Reverse (Vr)=60V, Voltage Forward (Vf)="700mV @ 2A", ComponentLink1Description=Datasheet, ComponentLink1URL=http://www.diodes.com/_files/datasheets/ds13004.pdf, ComponentLink2Description="Digi-Key Listing", ComponentLink2URL=https://www.digikey.com/product-detail/en/diodes-incorporated/B260A-13-F/B260A-FDITR-ND/750837, Part Number=B260A-13-F, PartId=16325, Price=0.0884, Supplier 1=Digi-Key, Type=Schottky